# Altium PCB HIVE_BOARD.PcbDoc (part 9 of 9)
Units mil, origin at the board's own origin, x right, y up, seen from the top; angles counter-clockwise.
Board outline 4330.71 x 4330.71 mil, 8 copper layers (Top, GND_1, Signal_1, GND_2, PWR, Signal_2, GND_3, Bottom), stack 62.994 mil thick; 660 components, 468 nets, 2497 pads, 1806 vias.
Unrouted connection lines stored in the file: 30.
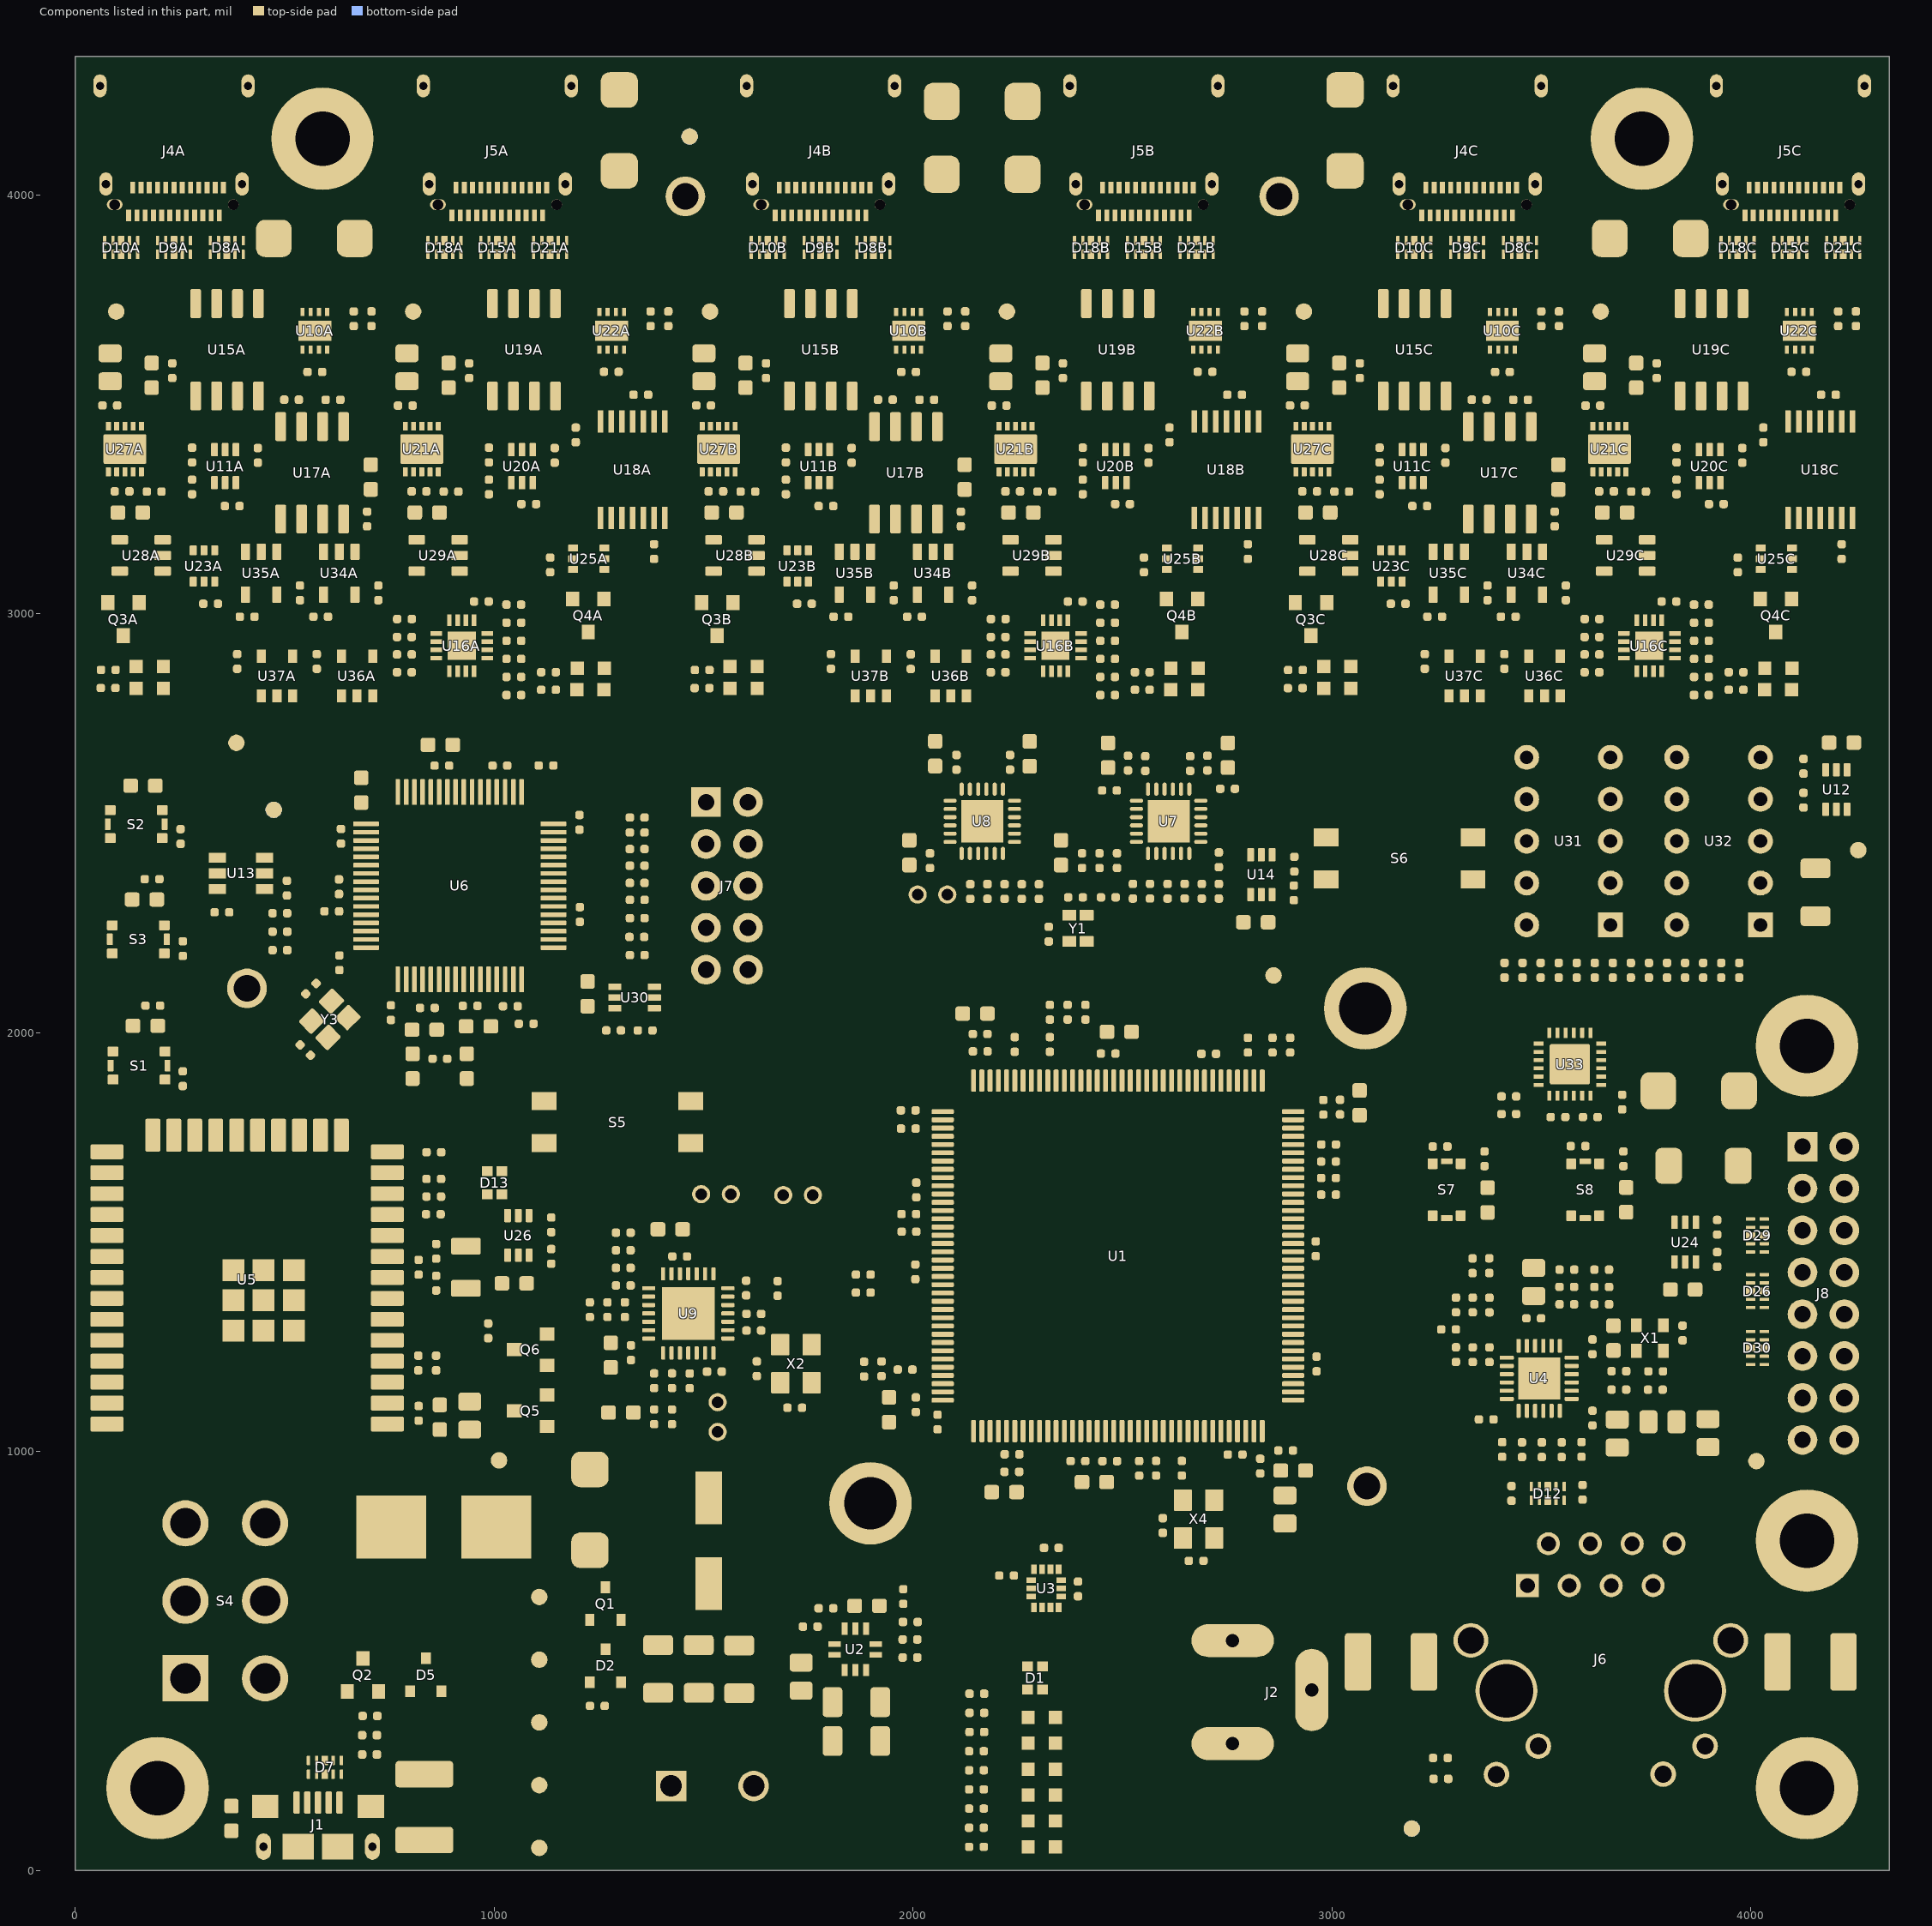
[diagram p15: the components of this part, seen from the top]

## Polygon pours and split planes (outlines as drawn) (continued)
3V3 on Top "NONET_L-01_P-001" (solid, pour order 697): 1473.12,1407.86 1473.12,1578.69 1420,1578.69 1420,1482.83 1444,1482.83 1444,1446 1453.57,1436.43 1453.57,1407.86
GND on Top "NONET_L-01_P-001" (solid, pour order 696): 1252.93,1229 1386.3,1229 1386.3,1175.01 1252.93,1175.01
3V3 on Top "NONET_L-01_P-001" (solid, pour order 695): 1228.99,1280.93 1391.73,1280.93 1391.73,1233.74 1228.99,1233.74
3V3 on Top "NONET_L-01_P-001" (solid, pour order 693): 1613.61,1193.25 1711.49,1193.25 1711.49,1086.58 1613.61,1086.58
GND on Top "NONET_L-01_P-001" (solid, pour order 692): 2085.12,1941.73 2154.34,1941.73 2154.34,2067.45 2085.12,2067.45
VDDLDO on Top "NONET_L-01_P-001" (solid, pour order 617): 2880.88,1782 3004,1782 3004,1823.68 3091.55,1823.68 3091.55,1752.06 2880.88,1752.06
3V3 on Top "NONET_L-01_P-001" (solid, pour order 611): 2880.87,1786 2999,1786 2999,1823 2961,1823 2961,1847.5 2938.71,1847.5 2938.71,1801.1 2880.71,1801.1
VDDLDO on Top "NONET_L-01_P-001" (solid, pour order 690): 2194,1858.76 2194,1983.88 2157.76,1983.88 2157.76,2069.43 2223.94,2069.43 2223.94,1858.76
3V3 on Top "NONET_L-01_P-001" (solid, pour order 689): 2190,1858.75 2190,1976.88 2157.51,1976.88 2157.51,1938.88 2128.5,1938.88 2128.5,1916.23 2174.81,1916.23 2174.81,1858.59
3V3 on Top "NONET_L-01_P-001" (solid, pour order 688): 2130.59,1622.31 1966.38,1622.31 1966.38,1592.09 2015.46,1592.09 2029.33,1605.96 2098.56,1605.96 2109.96,1594.55 2130.59,1594.55
GND on Top "NONET_L-01_P-001" (solid, pour order 687): 2130.59,1626.85 1967.35,1626.85 1967.35,1658.61 2020.9,1658.61 2036.31,1643.2 2098.56,1643.2 2109.96,1654.6 2130.59,1654.6
3V3 on Top "NONET_L-01_P-001" (solid, pour order 684): 2130.59,1425.46 1966.38,1425.46 1966.38,1395.24 2015.46,1395.24 2029.33,1409.11 2098.56,1409.11 2109.96,1397.7 2130.59,1397.7
GND on Top "NONET_L-01_P-001" (solid, pour order 683): 2130.59,1430 1967.35,1430 1967.35,1461.76 2020.9,1461.76 2036.31,1446.35 2098.56,1446.35 2109.96,1457.75 2130.59,1457.75
GND on Top "NONET_L-01_P-001" (solid, pour order 681): 1919.75,1106 2035.12,1106 2035.12,1066.01 2103.94,1066.01 2103.94,1028.54 1919.75,1028.54
VDDLDO on Top "NONET_L-01_P-001" (solid, pour order 680): 2097.55,1135 2036,1135 2036,1110 1895.56,1110 1895.56,1154.93 2036,1154.93 2036,1151.39 2097.55,1151.39
3V3 on Top "NONET_L-01_P-001" (solid, pour order 679): 2103.78,1130 2040,1130 2040,1070.52 2058.65,1070.52 2103.94,1070.52 2103.94,1115.63
3V3_CH on Top "NONET_L-01_P-001" (solid, pour order 678): 2991.71,3575.52 3124.72,3575.52 3146.43,3553.81 3146.43,3446.05 3061.86,3446.05 2991.71,3516.2
GND on Top "NONET_L-01_P-001" (solid, pour order 676): 2331.84,2717.01 2211.42,2717.01 2211.42,2646.92 2246.98,2646.92 2263.06,2663 2331.84,2663
GND on Top "NONET_L-01_P-001" (solid, pour order 675): 1999.22,2717.01 2119.64,2717.01 2119.64,2646.92 2084.08,2646.92 2068,2663 1999.22,2663
GND on Top "Top-GND" (solid, pour order 674): 1968.09,2361.98 1968.09,2421.96 2006.04,2421.96 2018.51,2409.49 2104.42,2409.49 2104.42,2361.98
3V3_CL on Top "Top-3V3_CL" (solid, pour order 673): 1943.82,2488.59 1943.82,2426.87 2008.64,2426.87 2021.73,2413.77 2105.06,2413.77 2105.06,2454.31 2105.06,2464.69 2068.89,2464.69 2058.5,2454.31 2040.42,2454.31 2006.14,2488.59
3V3_CL on Top "NONET_L-01_P-001" (solid, pour order 672): 2126.12,2563.35 2024.35,2563.35 2024.35,2599.01 2024.35,2658.16 2066.28,2658.16 2081.69,2642.74 2126.12,2642.74 2126.12,2601.9
GND on Top "Top-GND 1" (solid, pour order 669): 2330,2347.42 2330,2421.96 2372.04,2421.96 2384.51,2409.49 2549.3,2409.49 2549.3,2368.96 2497.69,2368.96 2476.16,2347.42
3V3_CL on Top "NONET_L-01_P-001" (solid, pour order 667): 2816.09,2350.9 2816.09,2187.66 2761.08,2187.66 2761.08,2350.9
GND on Top "NONET_L-01_P-001" (solid, pour order 668): 2819.44,2350.9 2819.44,2212.3 2882.72,2212.3 2882.72,2290.14 2863.64,2290.14 2843.55,2310.23 2843.55,2350.9
3V3 on Top "NONET_L-01_P-001" (solid, pour order 666): 2844.23,2403.49 2844.23,2505.15 2927.98,2505.15 2927.98,2403.49
GND on Top "NONET_L-01_P-001" (solid, pour order 665): 2395.7,2297.51 2463.92,2297.51 2463.92,2201.64 2396.53,2201.64 2396.53,2236.44 2427.91,2236.44 2427.91,2263.06 2395.7,2263.06
3V3_CL on Top "NONET_L-01_P-001" (solid, pour order 663): 2307.49,2235.26 2391.21,2235.26 2391.21,2176.89 2307.49,2176.89
3V3_CL on Top "Top-3V3_CL 1" (solid, pour order 662): 2331,2482.93 2331,2426.87 2374.36,2426.87 2387.46,2413.77 2549.93,2413.77 2549.93,2454.31 2549.93,2464.69 2513.77,2464.69 2503.38,2454.31 2485.3,2454.31 2456.68,2482.93
GND on Top "NONET_L-01_P-001" (solid, pour order 659): 2773.83,2714.09 2650.5,2714.09 2650.5,2644 2719.85,2644 2732.51,2656.66 2773.83,2656.66
3V3_CL on Top "NONET_L-01_P-001" (solid, pour order 658): 2649.78,2563.35 2751.55,2563.35 2751.55,2599.01 2801.85,2599.01 2801.85,2652 2738.62,2652 2725.53,2638.9 2649.78,2638.9 2649.78,2601.9
GND on Top "NONET_L-01_P-001" (solid, pour order 653): 2446.95,2714.09 2570.28,2714.09 2570.28,2644 2500.93,2644 2488.27,2656.66 2446.95,2656.66
3V3_CL on Top "NONET_L-01_P-001" (solid, pour order 652): 2571,2563.35 2469.23,2563.35 2469.23,2599.01 2418.93,2599.01 2418.93,2652 2482.16,2652 2495.25,2638.9 2571,2638.9 2571,2601.9
3V3 on Top "NONET_L-01_P-001" (solid, pour order 650): 2810.96,853.44 2920.87,853.44 2920.87,764.79 2810.96,764.79
GND on Top "NONET_L-01_P-001" (solid, pour order 649): 2258.24,587.56 2258.24,642.38 2337.45,642.38 2337.45,587.56
GND on Top "NONET_L-01_P-001" (solid, pour order 648): 2341.26,701.2 2361.01,701.2 2361.01,732.92 2411.23,732.92 2411.23,673.06 2385.58,673.06 2377.65,665.13 2341.26,665.13
3V3 on Top "Top-3V3" (solid, pour order 647): 1876,266.18 2057.05,85.13 2148.89,85.13 2148.89,288.66 2079.45,358.09 2079.45,514.8 2079.45,614.75 1993.29,614.75 1993.29,492.16 1961.97,492.16 1957.75,494.72 1876,494.72
GND on Top "NONET_L-01_P-001" (solid, pour order 644): 1350.58,455.46 1827,455.46 1827,494.72 1871.73,494.72 1871.73,266.24 1736.76,266.24 1643.21,359.79 1350.58,359.79
GND on Top "NONET_L-01_P-001" (solid, pour order 637): 2773.59,826.77 2690.65,826.77 2690.65,915.51 2773.59,915.51
GND on Top "NONET_L-01_P-001" (solid, pour order 636): 2767,1104.46 2767,988 2780,975 2780,943.15 2803.98,943.15 2803.98,1104.46
3V3 on Top "NONET_L-01_P-001" (solid, pour order 635): 2746.12,1077.21 2746.12,1013.8 2734.85,1002.53 2734.85,969.06 2760.47,943.44 2776.15,943.44 2776.15,970.85 2763,984 2763,1077.58
3V3 on Top "NONET_L-01_P-001" (solid, pour order 634): 2579.07,822.55 2672.61,822.55 2672.61,723.49 2579.07,723.49
3V3 on Top "NONET_L-01_P-001" (solid, pour order 633): 2490.46,1077.99 2490.46,1017.85 2475.12,1002.51 2475.12,966 2508,966 2508,1077.99
GND on Top "NONET_L-01_P-001" (solid, pour order 632): 2395,1077.91 2395,961.19 2429.58,961.19 2429.58,876.14 2488.85,876.15 2487.86,961.19 2471.3,961.19 2471.3,1005.3 2487,1021 2487,1077.91
GND on Top "NONET_L-01_P-001" (solid, pour order 631): 2234.43,1076.79 2234.43,1030 2164.99,960.56 2164.99,878.7 2211.03,878.7 2211.03,925.55 2231,945.52 2231,997 2254.16,1020.16 2254.16,1076.79
3V3 on Top "NONET_L-01_P-001" (solid, pour order 630): 2290.02,1076.79 2290.02,878.99 2218.5,878.99 2218.5,920.37 2236,937.87 2236,995.36 2254.16,1013.52 2254.16,1076.79
3V3 on Top "NONET_L-01_P-001" (solid, pour order 628): 2372.35,1077.99 2372.35,1007.18 2357.01,991.83 2357.01,899.37 2425.27,899.37 2425.27,956.03 2391,956.03 2391,1077.99
VDDA on Top "NONET_L-01_P-001" (solid, pour order 626): 2923.01,866.06 2923.01,914.31 2906.82,930.5 2906.82,969.1 2889.39,986.53 2889.39,1083.65 2825.58,1083.65 2825.58,999.6 2845.19,999.6 2845.19,966.78 2809.12,966.78 2809.12,866.06
3V3 on Top "NONET_L-01_P-001" (solid, pour order 625): 4191.72,2553.63 4191.72,2451.96 4107.97,2451.96 4107.97,2553.63
GND on Top "NONET_L-01_P-001" (solid, pour order 624): 4216.51,2606.21 4216.51,2744.82 4153.23,2744.82 4153.23,2666.98 4172.31,2666.98 4192.4,2646.89 4192.4,2606.21
3V3_CH on Top "NONET_L-01_P-001" (solid, pour order 623): 4219.86,2577.66 4219.86,2745.21 4274.87,2745.21 4274.87,2577.66
GND on Top "NONET_L-01_P-001" (solid, pour order 620): 3736.29,1906.53 3849.06,1906.53 3849.06,1787.97 3736.29,1787.97
GND on Top "NONET_L-01_P-001" (solid, pour order 568): 3117.83,4301.49 3117.83,4179.6 2994.56,4179.6 2994.56,4301.49
3V3 on Top "NONET_L-01_P-001" (solid, pour order 619): 4040.5,1685.82 4040.5,1636.97 3892.36,1636.97 3892.36,1782 4172.37,1782 4172.37,1685.82
GND on Top "NONET_L-01_P-001" (solid, pour order 616): 2879.59,1209.49 3034.36,1209.49 3034.36,1174.42 2938.99,1174.42 2938.99,1192.57 2879.77,1192.57
3V3 on Top "NONET_L-01_P-001" (solid, pour order 615): 2879.6,1214 3005.89,1214 3005.89,1270.81 2938.99,1270.82 2938.99,1229.81 2879.77,1229.81
GND on Top "NONET_L-01_P-001" (solid, pour order 613): 2879.59,1485.08 3005.89,1485.09 3005.89,1427.16 2938.99,1427.16 2938.99,1468.16 2879.77,1468.16
3V3 on Top "NONET_L-01_P-001" (solid, pour order 612): 2879.59,1488.48 3005.89,1488.48 3005.89,1546.41 2938.99,1546.41 2938.99,1505.4 2879.77,1505.4
GND on Top "NONET_L-01_P-001" (solid, pour order 610): 2966.07,1897.23 2966.07,1828.01 3091.79,1828.01 3091.79,1897.23
3V3 on Top "NONET_L-01_P-001" (solid, pour order 609): 3855.81,1526.36 3855.81,1628.03 3939.55,1628.03 3939.55,1526.36
GND on Top "NONET_L-01_P-001" (solid, pour order 608): 3831.01,1473.78 3831.01,1335.18 3894.29,1335.18 3894.29,1413.02 3875.21,1413.02 3855.12,1433.1 3855.12,1473.78
3V3_ETH on Top "NONET_L-01_P-001" (solid, pour order 607): 3827.66,1502.34 3827.66,1334.78 3772.65,1334.78 3772.65,1502.34
GND on Top "NONET_L-01_P-001" (solid, pour order 606): 3692,1320.34 3692,1283.17 3650.18,1283.17 3650.18,1256.48 3579.31,1256.48 3579.31,1320.34
3V3_ETH on Top "NONET_L-01_P-001" (solid, pour order 605): 3494.39,1231.3 3494.39,1298.43 3481.85,1310.97 3481.85,1336.49 3420.42,1336.49 3420.42,1417.34 3521.32,1417.34 3521.32,1281.18 3513.89,1273.75 3513.89,1231.3
GND on Top "NONET_L-01_P-001" (solid, pour order 604): 3969.03,1035.98 3969.03,996.3 3969.03,957.14 3863.29,957.14 3863.29,1035.98 3917.29,1035.98
3V3_ETH on Top "NONET_L-01_P-001" (solid, pour order 603): 4005.8,1116.27 3798.2,1116.27 3798.2,1040 4005.8,1040
GND on Top "NONET_L-01_P-001" (solid, pour order 602): 3704.67,1282.53 3741.85,1282.53 3741.85,1309.22 3768.54,1309.22 3768.54,1346.4 3704.67,1346.4
3V3_ETH on Top "NONET_L-01_P-001" (solid, pour order 600): 3773.29,1261.58 3773.29,1179.7 3841.82,1179.7 3841.82,1236.77 3817.02,1261.58
GND on Top "NONET_L-01_P-001" (solid, pour order 599): 3610.27,1074 3610.27,1004.32 3579.28,1004.32 3579.28,961.77 3719.15,961.77 3719.15,1044 3662,1044 3632,1074
3V3_PHY on Top "NONET_L-01_P-001" (solid, pour order 598): 3663,1048 3633,1078 3605.9,1078 3605.9,1052.67 3551.84,1052.67 3551.84,1132.67 3588.47,1132.67 3607.01,1114.13 3778.62,1114.13 3778.62,1048
NetC54_2 on Top "NONET_L-01_P-001" (solid, pour order 597): 3555.1,1218.85 3695.77,1218.85 3695.77,1259.2 3647.96,1259.2 3639.24,1250.47 3555.1,1250.47
3V3_PHY on Top "NONET_L-01_P-001" (solid, pour order 596): 3452,1117.99 3367.05,1117.94 3367.05,1058.59 3430.35,1058.59 3452,1080.24
3V3_CH on Top "NONET_L-01_P-001" (solid, pour order 595): 2283.05,3575.52 2416.06,3575.52 2437.77,3553.81 2437.77,3446.05 2353.2,3446.05 2283.05,3516.2
3V3_CH on Top "NONET_L-01_P-001" (solid, pour order 592): 3700.29,3575.6 3833.3,3575.6 3855.01,3553.89 3855.01,3446.13 3770.44,3446.13 3700.29,3516.28
3V3_CH on Top "NONET_L-01_P-001" (solid, pour order 590): 1574.3,3575.6 1707.32,3575.6 1729.02,3553.89 1729.02,3446.13 1644.46,3446.13 1574.3,3516.28
3V3_CH on Top "NONET_L-01_P-001" (solid, pour order 589): 156.98,3575.6 289.99,3575.6 311.7,3553.89 311.7,3446.13 227.13,3446.13 156.98,3516.28
3V3_CH on Top "NONET_L-01_P-001" (solid, pour order 584): 865.64,3575.6 998.65,3575.6 1020.36,3553.89 1020.36,3446.13 935.79,3446.13 865.64,3516.28
GND on Top "NONET_L-01_P-001" (solid, pour order 581): 4076.49,3645 4276.41,3645 4276.41,3704 4076.49,3704
GND on Top "NONET_L-01_P-001" (solid, pour order 579): 3367.83,3645 3567.75,3645 3567.75,3704 3367.83,3704
GND on Top "NONET_L-01_P-001" (solid, pour order 578): 3700.17,3577.08 3812.23,3577.08 3812.23,3601.14 3760.04,3653.34 3700.17,3653.34
3V3_CH on Top "NONET_L-01_P-001" (solid, pour order 576): 4037.36,3496.26 4101.31,3496.26 4101.31,3426.73 4012.03,3426.73 4012.03,3470.92
GND on Top "NONET_L-01_P-001" (solid, pour order 575): 2991.42,3577.16 3103.49,3577.16 3103.49,3601.23 3051.29,3653.42 2991.42,3653.42
3V3_CH on Top "NONET_L-01_P-001" (solid, pour order 573): 3459.57,3189.65 3493.54,3189.65 3493.54,3226.62 3563.33,3226.62 3563.33,3315.13 3499.31,3315.13 3459.57,3275.4
BB_VIN_1C on Top "NONET_L-01_P-001" (solid, pour order 572): 3591.86,3433 3651.31,3433 3651.31,3479.28 3626.31,3479.28 3626.31,3514.72 3683.92,3514.72 3683.92,3588.02 3591.86,3588.02
5V on Top "NONET_L-01_P-001" (solid, pour order 571): 3651.31,3353 3651.31,3288.9 3675.1,3265.1 3675.1,3200.23 3624.31,3200.23 3624.31,3161.41 3663.04,3122.67 3683.59,3122.67 3683.59,3079.97 3591.44,3079.97 3591.44,3353
5V on Top "NONET_L-01_P-001" (solid, pour order 570): 2942.65,3353 2942.65,3288.9 2966.44,3265.1 2966.44,3200.23 2915.65,3200.23 2915.65,3161.41 2954.38,3122.67 2968.65,3122.67 2968.65,3079.97 2882.78,3079.97 2882.78,3353
BB_VIN_0C on Top "NONET_L-01_P-001" (solid, pour order 569): 2883.2,3433 2942.65,3433 2942.65,3479.28 2917.65,3479.28 2917.65,3514.72 2980.28,3514.72 2980.28,3588.02 2883.2,3588.02
BB_VIN_0C on Top "NONET_L-01_P-001" (solid, pour order 567): 3105.55,4108.88 3105.55,3987 2982.27,3987 2982.27,4108.88
GND on Top "NONET_L-01_P-001" (solid, pour order 566): 3616.58,3826.62 3738.47,3826.62 3738.47,3949.89 3616.58,3949.89
BB_VIN_1C on Top "NONET_L-01_P-001" (solid, pour order 565): 3791.36,3826.62 3903.3,3826.62 3903.3,3949.89 3791.36,3949.89
GND on Top "NONET_L-01_P-001" (solid, pour order 564): 4212.6,3846 4212.6,3918.68 4194.28,3937 4194.28,3993.02 4202.97,4001.71 4202.97,4060.86 4275.59,4060.86 4275.59,3977.03 4235.28,3936.72 4235.27,3846
GND on Top "NONET_L-01_P-001" (solid, pour order 563): 3954.06,3844.29 3996.59,3844.29 3996.59,3967.73 4003.29,3974.43 4003.29,4059.61 3913.39,4059.61 3913.39,3995.81 3979.49,3995.81 3979.49,3980.74 3954.06,3955.32
GND on Top "NONET_L-01_P-001" (solid, pour order 562): 3182.4,3844.29 3224.93,3844.29 3224.93,3967.73 3231.63,3974.43 3231.63,4059.61 3141.73,4059.61 3141.73,3995.81 3207.83,3995.81 3207.83,3980.74 3182.41,3955.32
GND on Top "NONET_L-01_P-001" (solid, pour order 561): 3440.94,3846 3440.94,3918.68 3422.62,3937 3422.62,3993.02 3431.31,4001.71 3431.31,4060.86 3503.94,4060.86 3503.94,3977.03 3463.62,3936.72 3463.62,3846
BB_VIN_0C on Top "NONET_L-01_P-001" (solid, pour order 560): 3415.9,3999 3391.62,3999 3391.62,4037 3372.05,4037 3371.62,3995.81 3362.21,3995.81 3362.21,3933 3381.36,3933 3381.36,3970 3415.9,3970
BB_VIN_0C on Top "NONET_L-01_P-001" (solid, pour order 559): 3236.62,3999 3273.62,3999 3273.62,4037 3293.31,4037 3293.31,3970 3283.46,3970 3283.46,3933 3264.3,3933 3264.3,3970 3236.62,3970
BB_VIN_1C on Top "NONET_L-01_P-001" (solid, pour order 558): 4187.55,3999 4163.28,3999 4163.28,4037 4143.7,4037 4143.28,3995.81 4133.86,3995.81 4133.86,3933 4153.02,3933 4153.02,3970 4187.55,3970
BB_VIN_1C on Top "NONET_L-01_P-001" (solid, pour order 557): 4009.58,3999 4045.28,3999 4045.28,4037 4064.96,4037 4064.96,3970 4055.11,3970 4055.11,3933 4035.96,3933 4035.96,3970 4009.58,3970
GND on Top "NONET_L-01_P-001" (solid, pour order 554): 2187.65,4095.61 2187.65,3973.72 2310.92,3973.72 2310.92,4095.61
GND on Top "NONET_L-01_P-001" (solid, pour order 553): 2022.05,4148.54 2143.94,4148.54 2143.94,4271.82 2022.05,4271.82
BB_VIN_1B on Top "NONET_L-01_P-001" (solid, pour order 551): 2214.96,4148.54 2336.85,4148.54 2336.85,4271.82 2214.96,4271.82
BB_VIN_0B on Top "NONET_L-01_P-001" (solid, pour order 550): 1994.74,4095.61 1994.74,3973.72 2118.01,3973.72 2118.01,4095.61
GND on Top "NONET_L-01_P-001" (solid, pour order 548): 2659.17,3645 2859.09,3645 2859.09,3704 2659.17,3704
GND on Top "NONET_L-01_P-001" (solid, pour order 546): 1950.5,3645 2150.43,3645 2150.43,3704 1950.5,3704
GND on Top "NONET_L-01_P-001" (solid, pour order 545): 2282.84,3577.08 2394.91,3577.08 2394.91,3601.14 2342.72,3653.34 2282.84,3653.34
3V3_CH on Top "NONET_L-01_P-001" (solid, pour order 543): 2620.04,3496.26 2683.99,3496.26 2683.99,3426.73 2594.7,3426.73 2594.7,3470.92
GND on Top "NONET_L-01_P-001" (solid, pour order 542): 1574.1,3577.16 1686.16,3577.16 1686.16,3601.23 1633.97,3653.42 1574.1,3653.42
3V3_CH on Top "NONET_L-01_P-001" (solid, pour order 540): 2042.25,3189.65 2076.22,3189.65 2076.22,3226.62 2146,3226.62 2146,3315.13 2081.98,3315.13 2042.25,3275.4
BB_VIN_1B on Top "NONET_L-01_P-001" (solid, pour order 539): 2174.54,3433 2233.98,3433 2233.98,3479.28 2208.98,3479.28 2208.98,3514.72 2266.59,3514.72 2266.59,3588.02 2174.54,3588.02
5V on Top "NONET_L-01_P-001" (solid, pour order 538): 2233.98,3353 2233.98,3288.9 2257.78,3265.1 2257.78,3200.23 2206.98,3200.23 2206.98,3161.41 2245.72,3122.67 2266.26,3122.67 2266.26,3079.97 2174.12,3079.97 2174.12,3353
5V on Top "NONET_L-01_P-001" (solid, pour order 537): 1525.32,3353 1525.32,3288.9 1549.12,3265.1 1549.12,3200.23 1498.32,3200.23 1498.32,3161.41 1537.06,3122.67 1551.32,3122.67 1551.32,3079.97 1465.46,3079.97 1465.46,3353
BB_VIN_0B on Top "NONET_L-01_P-001" (solid, pour order 536): 1465.87,3433 1525.32,3433 1525.32,3479.28 1500.32,3479.28 1500.32,3514.72 1562.95,3514.72 1562.95,3588.02 1465.87,3588.02
GND on Top "NONET_L-01_P-001" (solid, pour order 535): 354.32,3846 354.32,3918.68 336,3937 336,3993.01 344.69,4001.71 344.69,4060.85 417.31,4060.85 417.31,3977.03 377,3936.71 377,3846
GND on Top "NONET_L-01_P-001" (solid, pour order 534): 1125.98,3846 1125.98,3918.68 1107.66,3937 1107.66,3993.01 1116.35,4001.71 1116.35,4060.85 1188.97,4060.85 1188.97,3977.03 1148.66,3936.71 1148.65,3846
GND on Top "NONET_L-01_P-001" (solid, pour order 533): 2669.29,3846.01 2669.29,3918.69 2650.97,3937.01 2650.97,3993.03 2659.66,4001.72 2659.66,4060.87 2732.28,4060.87 2732.28,3977.04 2691.97,3936.73 2691.96,3846.01
GND on Top "NONET_L-01_P-001" (solid, pour order 532): 2410.75,3844.3 2453.28,3844.3 2453.28,3967.74 2459.98,3974.44 2459.98,4059.62 2370.08,4059.62 2370.08,3995.82 2436.18,3995.82 2436.18,3980.75 2410.75,3955.33
GND on Top "NONET_L-01_P-001" (solid, pour order 531): 1639.09,3844.3 1681.62,3844.3 1681.62,3967.74 1688.32,3974.44 1688.32,4059.62 1598.42,4059.62 1598.42,3995.82 1660.96,3995.82 1660.96,3977.19 1639.1,3955.33
GND on Top "NONET_L-01_P-001" (solid, pour order 530): 867.44,3844.29 909.97,3844.29 909.97,3967.73 916.67,3974.43 916.67,4059.6 826.77,4059.6 826.77,3995.81 889.04,3995.81 889.04,3976.91 867.44,3955.31
GND on Top "NONET_L-01_P-001" (solid, pour order 503): 95.78,3844.29 138.31,3844.29 138.31,3967.73 145.01,3974.43 145.01,4059.6 55.11,4059.6 55.11,3995.81 117.66,3995.81 117.66,3977.18 95.79,3955.31
BB_VIN_0B on Top "NONET_L-01_P-001" (solid, pour order 527): 1872.59,3999.01 1848.31,3999.01 1848.31,4037.01 1828.74,4037.01 1828.31,3995.82 1818.9,3995.82 1818.9,3933.01 1838.05,3933.01 1838.05,3970.01 1872.59,3970.01
BB_VIN_0B on Top "NONET_L-01_P-001" (solid, pour order 526): 1693.31,3999.01 1730.31,3999.01 1730.31,4037.01 1750,4037.01 1750,3970.01 1740.15,3970.01 1740.15,3933.01 1720.99,3933.01 1720.99,3970.01 1693.31,3970.01
BB_VIN_1B on Top "NONET_L-01_P-001" (solid, pour order 523): 2644.24,3999.01 2619.97,3999.01 2619.97,4037.01 2600.39,4037.01 2599.97,3995.82 2590.55,3995.82 2590.55,3933.01 2609.71,3933.01 2609.71,3970.01 2644.24,3970.01
BB_VIN_1B on Top "NONET_L-01_P-001" (solid, pour order 522): 2466.27,3999.01 2501.97,3999.01 2501.97,4037.01 2521.65,4037.01 2521.65,3970.01 2511.8,3970.01 2511.8,3933.01 2492.65,3933.01 2492.65,3970.01 2466.27,3970.01
GND on Top "NONET_L-01_P-001" (solid, pour order 482): 1241.84,3645 1441.77,3645 1441.77,3704 1241.84,3704
GND on Top "NONET_L-01_P-001" (solid, pour order 480): 533.18,3645 733.1,3645 733.1,3704 533.18,3704
GND on Top "NONET_L-01_P-001" (solid, pour order 479): 1225.15,4296.79 1225.15,4174.91 1348.43,4174.91 1348.43,4296.79
BB_VIN_1A on Top "NONET_L-01_P-001" (solid, pour order 478): 1225.15,4103.88 1225.15,3981.99 1348.43,3981.99 1348.43,4103.88
BB_VIN_1A on Top "NONET_L-01_P-001" (solid, pour order 473): 1100.93,3999 1076.66,3999 1076.66,4037 1057.08,4037 1056.66,3995.81 1047.24,3995.81 1047.24,3933 1066.4,3933 1066.4,3970 1100.93,3970
BB_VIN_1A on Top "NONET_L-01_P-001" (solid, pour order 472): 922.96,3999 958.65,3999 958.65,4037 978.34,4037 978.34,3970 968.49,3970 968.49,3933 949.34,3933 949.34,3970 922.96,3970
BB_VIN_0A on Top "NONET_L-01_P-001" (solid, pour order 469): 329.28,3999 305,3999 305,4037 285.43,4037 285,3995.81 275.59,3995.81 275.59,3933 294.74,3933 294.74,3970 329.28,3970
BB_VIN_0A on Top "NONET_L-01_P-001" (solid, pour order 468): 150,3999 187,3999 187,4037 206.68,4037 206.68,3970 196.84,3970 196.84,3933 177.68,3933 177.68,3970 150,3970
GND on Top "NONET_L-01_P-001" (solid, pour order 467): 865.52,3577.08 977.59,3577.08 977.59,3601.14 925.39,3653.34 865.52,3653.34
3V3_CH on Top "NONET_L-01_P-001" (solid, pour order 465): 1202.72,3496.26 1266.66,3496.26 1266.66,3426.73 1177.38,3426.73 1177.38,3470.92
GND on Top "NONET_L-01_P-001" (solid, pour order 464): 156.78,3577.16 268.84,3577.16 268.84,3601.23 216.65,3653.42 156.78,3653.42
3V3_CH on Top "NONET_L-01_P-001" (solid, pour order 462): 624.93,3189.65 658.89,3189.65 658.89,3226.62 728.68,3226.62 728.68,3315.13 664.66,3315.13 624.93,3275.4
BB_VIN_1A on Top "NONET_L-01_P-001" (solid, pour order 461): 757.21,3433 816.66,3433 816.66,3479.28 791.66,3479.28 791.66,3514.72 849.27,3514.72 849.27,3588.02 757.21,3588.02
5V on Top "NONET_L-01_P-001" (solid, pour order 460): 816.66,3353 816.66,3288.9 840.46,3265.1 840.46,3200.23 789.66,3200.23 789.66,3161.41 828.4,3122.67 848.94,3122.67 848.94,3079.97 756.79,3079.97 756.79,3353
5V on Top "NONET_L-01_P-001" (solid, pour order 459): 108,3353 108,3288.9 131.8,3265.1 131.8,3200.23 81,3200.23 81,3161.41 119.74,3122.67 134,3122.67 134,3079.97 48.13,3079.97 48.13,3353
BB_VIN_0A on Top "NONET_L-01_P-001" (solid, pour order 458): 51.75,3433 108,3433 108,3479.28 83,3479.28 83,3514.72 145.63,3514.72 145.63,3588.02 51.75,3588.02
no net on Top "Top-M2_SOURCE_-HV_B 1" (solid, pour order 294): -8864.91,-25169.47
no net on Top "Top-No Net" (solid, pour order 293): -8497.19,-24205.48
no net on Top "Top-No Net 1" (solid, pour order 292): -8524.72,-24183.04
no net on Top "Top-No Net 2" (solid, pour order 291): -8517.22,-24168.26
no net on Top "Top-No Net 3" (solid, pour order 290): -8520.94,-24183.99
no net on Top "Top-No Net 4" (solid, pour order 289): -9240.35,-24090.3
no net on Top "Top-No Net 5" (solid, pour order 288): -9236.63,-24074.56
no net on Top "Top-No Net 6" (solid, pour order 287): -9244.13,-24089.35
no net on Top "Top-No Net 7" (solid, pour order 286): -9216.6,-24111.79
no net on Top "Top-No Net 8" (solid, pour order 285): -8392.05,-24205.48
no net on Top "Top-No Net 9" (solid, pour order 284): -8419.58,-24183.04
no net on Top "Top-No Net 10" (solid, pour order 283): -8412.08,-24168.26
no net on Top "Top-No Net 11" (solid, pour order 282): -8415.8,-24183.99
no net on Top "Top-No Net 12" (solid, pour order 281): -10574.65,-26036.69
NetF1_1 on Bottom "NONET_L-01_P-001" (solid, pour order 751): 172.74,768.77 519.02,768.76 656.54,906.29 875.61,906.29 875.61,520.85 172.74,520.85
5V_USB on Bottom "NONET_L-01_P-001" (solid, pour order 753): 406.52,103.24 582.17,103.24 582.17,240.99 386.53,421.79 386.53,478.52 147.82,478.52 147.82,341.78 248.32,341.78 406.53,183.57
5V on Bottom "Bottom-5V" (solid, remove dead copper, pour order 749): 23.3,964.31 20.22,4031.23 394.9,4031.23 394.9,3579.27 300.89,3579.27 300.9,964.31
5V on Bottom "Bottom-5V 1" (solid, pour order 748): 4315.19,1785.8 4317.22,3809 3760.68,3809.01 3760.68,3539.13 4131.81,3539.13 4131.81,3238.52 3860.28,2966.99 3860.28,1785.8
VCAP on Bottom "NONET_L-01_P-001" (solid, pour order 734): 1962.29,1036.8 1962.29,1302.57 2166.49,1302.57 2166.49,2023.54 2252.28,2023.54 2307.67,1968.15 2307.67,1764.56 2984.71,1764.56 2984.71,1674.09 2799.4,1674.09 2799.4,1038.57
NetD3_1 on Bottom "NONET_L-01_P-001" (solid, pour order 642): 887.13,901.11 1111.22,901.11 1151.62,860.72 1254.78,860.72 1254.78,638.05 929.57,638.06 887.13,680.5
no net on Bottom "Bottom-No Net" (solid, pour order 457): -7415.96,-24096.84
5V_CONN on Signal_2 "NONET_L-01_P-001" (solid, pour order 763): 2309.32,638.09 2029.49,358.26 1139.52,358.26 564.1,933.68 100.44,933.68 100.44,346.38 419.06,27.76 3015.58,27.76 3160.62,172.8 3160.62,638.08 2735.68,638.08
5V on Signal_2 "NONET_L-01_P-001" (solid, pour order 761): 1819.24,468.94 1093.28,468.94 597.87,964.35 27.14,964.35 27.14,1521.69 851.86,1521.69 1664.7,708.86 1817.09,708.86
VDDLDO on Signal_2 "NONET_L-01_P-001" (solid, pour order 744): 1818.86,1036.5 1818.86,1347.2 2166.49,1347.2 2166.49,2023.54 2252.28,2023.54 2307.67,1968.15 2307.67,1808.72 3091.55,1808.72 3091.55,1674.09 2799.4,1674.09 2799.4,1038.57
VREGOUT_1V8 on Signal_2 "NONET_L-01_P-001" (solid, pour order 733): 1082.14,2063 631.1,2063 631.1,2683.13 1082.14,2683.13
BB_VIN_1C on Signal_2 "NONET_L-01_P-001" (solid, pour order 594): 4195.09,3819.16 4195.09,4307.88 3582.68,4307.88 3582.68,3434.31 3874.29,3434.31 3756.42,3434.31 3756.42,3819.16
BB_VIN_0C on Signal_2 "NONET_L-01_P-001" (solid, pour order 593): 3201.96,4069.11 3201.96,3913.73 3435.41,3913.73 3435.41,4253.88 2874.02,4253.88 2874.02,3434.31 3165.63,3434.31 3129.64,3434.31 3129.64,4069.11
BB_VIN_1B on Signal_2 "NONET_L-01_P-001" (solid, pour order 556): 2441.54,4069.11 2441.54,3913.73 2726.75,3913.73 2726.75,4276.83 2165.36,4276.83 2165.36,3434.31 2456.97,3434.31 2339.09,3434.31 2339.09,4069.11
BB_VIN_0A on Signal_2 "NONET_L-01_P-001" (solid, pour order 486): 150,4086.61 150,3846.8 423.23,3846.8 423.23,3808.23 54.91,3808.23 54.91,3434.29 205,3434.29 538.18,3434.29 538.18,4086.61
BB_VIN_0B on Signal_2 "NONET_L-01_P-001" (solid, pour order 555): 1693.31,4165.61 1693.31,3941.01 1966.54,3941.01 1966.54,3804.2 1456.7,3804.2 1456.7,3434.31 1748.31,3434.31 2117.31,3434.31 2117.31,4165.61
BB_VIN_1A on Signal_2 "NONET_L-01_P-001" (solid, pour order 487): 921.66,4143.85 921.66,3926.76 1194.88,3926.76 1194.88,3809 747,3809 747,3434.29 915,3434.29 1348.43,3434.29 1348.43,4143.85
5V_CONN on Signal_1 "NONET_L-01_P-001" (solid, pour order 762): 2308.71,638.09 2028.88,358.26 1139.52,358.26 564.1,933.68 100.44,933.68 100.44,346.38 419.06,27.76 3015.58,27.76 3160.62,172.8 3160.62,638.08 2735.68,638.08
no net on Signal_1 "NONET_L-01_P-001" (solid, pour order 627): 2292.25,1077.28
GND on GND_1 (split plane): 4310.61,20.1 20.1,20.1 20.1,4310.61 4310.61,4310.61
ETH_GND on GND_1 (split plane): 4097.5,403.09 3183.45,403.09 3183.45,581.55 4097.5,581.55
GND on GND_2 (split plane): 4310.61,20.1 20.1,20.1 20.1,4310.61 4310.61,4310.61
ETH_GND on GND_2 (split plane): 4097.5,403.09 3183.45,403.09 3183.45,581.55 4097.5,581.55
5V_CONN on PWR (split plane): 35 vertices, not listed, extent 20.1,20.1 3136.55,930.25
3V3 on PWR (split plane): 167 vertices, not listed, extent 243.14,425.78 4310.61,3151.49
3V3_DEB on PWR (split plane): 1352.17,2114.19 1055.06,1817.08 243.14,1817.08 243.14,2655.07 1352.17,2655.07
3V3_CH on PWR (split plane): 209 vertices, not listed, extent 243.14,2576.15 4310.61,3782.29
5V on PWR (split plane): 161 vertices, not listed, extent 20.1,473.14 4310.61,4310.61
3V3_PHY on PWR (split plane): 3767.41,660.45 3229.77,660.45 3229.77,1164.91 3767.41,1164.91
ETH_GND on PWR (split plane): 4097.5,403.09 3183.45,403.09 3183.45,581.55 4097.5,581.55
3V3_ETH on PWR (split plane): 52 vertices, not listed, extent 3156.41,20.1 4310.61,1502.33
3V3_WR on PWR (split plane): 1047.18,1129 806.5,1129 790.4,1145.11 790.4,1797.23 1047.18,1797.23
GND on PWR (split plane): 4124.02,1728.74 4124.35,1727.95 4124.02,1727.16 4123.23,1726.84 4122.44,1727.16 4122.11,1727.95 4122.44,1728.74 4123.23,1729.07
3V3_CL on PWR (split plane): 2820.56,2080.93 1491.16,2080.93 1454.98,2117.1 1452.93,2118.68 1450.53,2119.67 1447.96,2120.01 1372.45,2120.01 1372.45,2131.46 1372.12,2134.03 1372.03,2134.24 1372.03,2655.07 2820.56,2655.07
GND on GND_3 (split plane): 4310.61,20.1 20.1,20.1 20.1,4310.61 4310.61,4310.61
ETH_GND on GND_3 (split plane): 4097.5,403.09 3183.45,403.09 3183.45,581.55 4097.5,581.55

## Keep-outs
Keep-Out Layer:
  lines w10: 2.34,0.42 2.34,2120.42

## Other copper
Top:
  text "1" at 3349.52,36.88 h39.37
Signal_1:
  text "3" at 3426.09,36.88 h39.37
Signal_2:
  text "6" at 3562.99,36.88 h39.37
Bottom:
  text "8" at 3654.25,36.88 h39.37
GND_1 (plane layer: these items are gaps in the copper):
  lines w78.74: 3144,366.12 3144,621 ; 3146.48,363.64 3890.73,363.64 ; 3146.48,621 3790.73,621 4136.95,621 4136.95,363.64 3879.59,363.64
  text "2" at 3380.46,36.88 h39.37
GND_2 (plane layer: these items are gaps in the copper):
  lines w78.74: 3144,366.12 3144,621 ; 3146.48,363.64 3890.73,363.64 ; 3146.48,621 3790.73,621 4136.95,621 4136.95,363.64 3879.59,363.64
  text "4" at 3470.89,36.88 h39.37
PWR (plane layer: these items are gaps in the copper):
  circle w50: c4123.23,1727.95 r26.13
  lines w19.68: 4.52,940.18 422.45,940.18 899.41,463.21 1850.74,463.21 1898.09,415.86 2395.99,415.86 2601.14,621 3144,621 ; 233.58,2664.99 1362.1,2664.99 ; 233.79,3113.83 399.43,3113.83 399.43,2859 724,2859 724,3113.83 1088.11,3113.83 1135.7,3161.41 1198.72,3161.41 1288.65,3071.48 1762.82,3071.48 1762.82,2858.96 2139.8,2858.96 2139.8,3113.83 2505.44,3113.83 2553.02,3161.41 2616.05,3161.41 2705.98,3071.48 ; 780.47,1800.94 780.47,1140.99 802.39,1119.07 1057.11,1119.07 ; 1057.11,1801.92 1057.11,1119.07 ; 1362.53,2131.46 1362.53,2110.08 1447.96,2110.08 1487.04,2071 2830.49,2071 2830.49,2664.99 1362.1,2664.99 ; 1851.51,463.21 1851.51,655.25 1387.69,1119.07 1057.11,1119.07 ; 2663.63,3113.83 2705.98,3071.48 ; 3146.48,0 3146.48,363.64 ; 3219.84,602.13 3219.84,1408.91 3323.19,1512.26 3616.26,1512.26 3846.24,1512.26 3891.21,1467.29 3891.21,1386.2 3998.98,1278.43 4080.07,1278.43 4333.07,1278.43 ; 3219.84,1174.83 3777.34,1174.83 3777.34,617.24 ; 4330.71,2588.73 4308.2,2566.22 4080.96,2566.22 4080.96,2965.6 4080.96,3113.83 4033.37,3161.41 3970.35,3161.41 3922.76,3113.83 3557.12,3113.83 3557.12,2858.96 ; 4330.71,3813.71 4309,3792 4174.83,3792 3943.38,3560.55 3767.55,3560.55 3727.21,3520.21 3727.21,3260.97 3572.75,3260.97 3572.75,3649.46 3640.94,3717.65 3640.94,3792 3276,3792 3018.55,3534.55 3018.55,3260.97 2864.09,3260.97 2864.09,3649.46 2932.28,3717.65 2932.28,3792 2579,3792 2309.89,3522.89 2309.89,3260.97 2155.43,3260.97 2155.43,3649.46 2223.62,3717.65 2223.62,3792 1858,3792 1601.23,3535.23 1601.23,3260.97 1446.77,3260.97 1446.77,3649.46 1514.96,3717.65 1514.96,3792 1149,3792 892.57,3535.57 892.57,3260.97 738.1,3260.97 738.1,3649.45 806.3,3717.65 806.3,3792 485.63,3792 233.21,3539.58 233.21,1807.15 1059.17,1807.15 1362.1,2110.08 1362.1,2664.99 ; 2705.98,3071.48 3180.14,3071.48 3180.14,2858.96 ; 3180.14,2858.96 3557.12,2858.96 ; 3180.14,2858.96 3557.12,2858.96
  lines w78.74: 3144,621 3144,366.12 3146.48,363.64 3890.73,363.64 ; 3146.48,621 3790.73,621 4136.95,621 4136.95,363.64 3879.59,363.64
  text "5" at 3517.36,36.88 h39.37
GND_3 (plane layer: these items are gaps in the copper):
  lines w78.74: 3144,366.12 3144,621 ; 3146.48,363.64 3890.73,363.64 ; 3146.48,621 3790.73,621 4136.95,621 4136.95,363.64 3879.59,363.64
  text "7" at 3609.28,36.88 h39.37

## Silkscreen, mask and mechanical layers (free items; w line width, h text height)
Top Overlay:
  text "1A" at 707.11,4251.96 h55.12
  text "0B" at 1469.58,4251.98 h55.12
  text "1C" at 3793.73,4251.97 h55.12
  text "0A" at 441.06,4250.01 h55.12
  text "1B" at 2761.6,4250 h55.12
  text "0C" at 3527.68,4250.01 h55.12
  text "GND TP" at 1197.15,3964.11 h31.5
  text "GND TP" at 2943.39,3962.29 h31.5
  text "a" at 679.62,3953.42 h196.85
  text "a" at 3512.6,3952.87 h196.85
  text "NOT" at 1378.46,3826.11 h66.93
  text "ACTUAL" at 1965.48,3826.11 h66.93
  text "USB-C" at 2709,3826.11 h66.93
  text "a" at 1207.2,3782.18 h196.85
  text "VBB TP" at 132.2,3659.5 h31.5
  text "VBB TP" at 1548.44,3659.05 h31.5
  text "VBB TP" at 2964.9,3659.1 h31.5
  text "VBB TP" at 841.58,3657.22 h31.5
  text "VBB TP" at 3674.99,3655.9 h31.5
  text "VBB TP" at 2255.14,3655.42 h31.5
  text "0B / EN / FLT" at 1659,2782 h47.24
  text "0C / EN / FLT" at 3077,2782 h47.24
  text "0A / EN / FLT" at 241,2781 h47.24
  text "1A / EN / FLT" at 1298.84,2778.48 h47.24
  text "1B / EN / FLT" at 2716.16,2778.48 h47.24
  text "1C / EN / FLT" at 4133.48,2778.48 h47.24
  text "3V3_DEB" at 441.76,2668.63 h47.24
  text "USB PWR ENA" at 2837.66,2655.75 h47.24
  text "RESET  / BTNs" at 33.87,2621.28 h47.24
  text "JTAG TP + JUMPERS" at 1325.35,2619.51 h47.24
  text "FTDI SIDE" at 1384,2580.87 h47.24 r270
  text "FTDI" at 21.62,2570.17 h31.5 r270
  text "CHANNEL" at 2985.68,2566.97 h47.24
  text "NJTRTS" at 1670,2519 h47.24
  text "JTMS" at 1664.59,2422.99 h47.24
  text "3V3_CH" at 4233.1,2390.73 h47.24 r270
  text "JTDO" at 1664.59,2320.64 h47.24
  text "MCU" at 23.67,2297.5 h31.5 r270
  text "EN" at 2944.98,2292.79 h31.5
  text "JTDI" at 1664.59,2218.3 h47.24
  text "ETHERNET" at 2947.12,2213.15 h47.24
  text "SYNC GND" at 1850.85,2188 h31.5
  text "JTCK" at 1664.59,2115.95 h47.24
  text "3V3_CL" at 2545.21,2114.12 h47.24
  text "WROOM" at 23.03,2037.09 h31.5 r270
  text "GND TP" at 350.32,1938.44 h31.5
  text "DEBBUG" at 1127.1,1911.01 h47.24
  text "EN" at 1077.5,1867.33 h31.5
  text "IO EXP BTNs" at 3115.65,1794.74 h47.24
  text "USB / PWR ENA" at 1528.24,1781.57 h47.24
  text "BTN_0" at 3126.87,1760.58 h47.24 r270
  text "BTN_1" at 3449.36,1714.33 h47.24 r270
  text "WROOM RGB" at 831.84,1689.9 h47.24
  text "USB TP" at 1391.94,1656.27 h47.24
  text "WROOM" at 1169,1587.76 h47.24
  text "DEB STM" at 1411.3,1510.37 h47.24
  text "CON-OFF-USB" at 31.15,965.58 h60 r270
  text "3V3_WR" at 701.87,947.75 h47.24
  text "USB IN / TP" at 1583.22,941.89 h47.24
  text "3V3_ETH" at 3702.82,882.48 h47.24
  text "GND TP" at 3172.18,870.74 h31.5
  text "5A Fuse" at 617.07,634.91 h47.24
  text "5V" at 979.83,617.71 h47.24
  text "MISC LED" at 2105.47,519.35 h47.24
  text "3V3" at 937.36,497.37 h47.24
  text "RGB" at 2364.42,415.8 h47.24
  text "HB" at 2380.41,343.6 h47.24
  text "USB DET#" at 744.01,308.78 h47.24
  text "MCU0" at 2380.41,279.2 h47.24
  text "-" at 1286.01,262.54 h60 r180
  text "+" at 1784.45,248.21 h60 r180
  text "MCU1" at 2380.41,214.8 h47.24
  text "5V CON" at 927.14,157.65 h47.24
  text "MCU2" at 2380.41,150.4 h47.24
  text "5V" at 1209.1,123.02 h47.24
  text "5V" at 2989.84,116.78 h47.24
  text "3V3" at 2380.41,86 h47.24
  text "IN" at 1216.31,32.74 h47.24
  text "IN" at 2997.05,26.5 h47.24
  text "5V" at 2380.41,21.6 h47.24
  text "5V USB" at 931.11,2.59 h47.24
Bottom Overlay:
  region: 2408.82,2762.47 1900.23,2762.47 1900.23,2459.21 2408.82,2459.21
  text "2" at 1880.11,3384.77 h393.7
  text ".Project_Name" at 2513.7,3163.82 h78.74
  text "Revision .Project_Revision" at 2526.69,3072.87 h40
  text "Designed by: / .Project_Designer1 / .Project_Designer2 / .Project_Designer3" at 2473.41,2809.78 h36
  text "Serial #" at 2406.68,2354.61 h39.37
Board Outline:
  the board outline again, w10
Route Tool Path:
  lines w100: -50,0 ccw(c0,0) 0,-50 4330.71,-50 ; -50,787.4 -50,3543.31 ; 4380.71,787.4 4380.71,3543.31 ; 4380.71,4330.71 ccw(c4330.71,4330.71) 4330.71,4380.71 0,4380.71 ; 0,4380.71 ccw(c0,4330.71) -50,4330.71 cw(c0,4330.71) 0,4380.71 ; 4330.71,-50 ccw(c4330.71,0) 4380.71,0 cw(c4330.71,0) 4330.71,-50
Channel locations:
  lines w3.94: 748.03,2778.48 1456.69,2778.48 ; 748.03,2778.48 39.37,2778.48 39.37,3813.71 748.03,3813.71 ; 748.03,2778.48 748.03,3813.71 ; 748.03,3813.71 1456.69,3813.71 ; 1456.69,2778.48 2165.35,2778.48 ; 1456.69,2778.48 1456.69,3813.71 ; 1456.69,3813.71 2165.35,3813.71 ; 2165.35,2778.48 2874.02,2778.48 ; 2165.35,2778.48 2165.35,3813.71 ; 2165.35,3813.71 2874.02,3813.71 ; 2874.02,2778.48 2874.02,3813.71 ; 2874.02,2778.48 3582.68,2778.48 ; 2874.02,3813.71 3582.68,3813.71 ; 3582.68,2778.48 3582.68,3813.71 ; 3582.68,2778.48 4291.34,2778.48 4291.34,3813.71 3582.68,3813.71

## Text inside footprints (layer, text, board x,y; h text height)
C147: Top Overlay "+" at 1621.99,677.57 h60 r270
J1: Top Assembly "Board Edge" at 465.75,-37.49 h23.62
J4A: Top Assembly "A12" at 121.21,3971.37 h20 r180; Top Assembly "B1" at 116.22,4066.31 h20 r180; Top Assembly "B12" at 400.38,4061.71 h20 r180; Top Assembly "A1" at 396.21,3971.37 h20 r180
J4B: Top Assembly "A12" at 1664.52,3971.38 h20 r180; Top Assembly "B1" at 1659.53,4066.33 h20 r180; Top Assembly "B12" at 1943.69,4061.72 h20 r180; Top Assembly "A1" at 1939.52,3971.38 h20 r180
J4C: Top Assembly "A12" at 3207.83,3971.37 h20 r180; Top Assembly "B1" at 3202.84,4066.32 h20 r180; Top Assembly "B12" at 3487,4061.71 h20 r180; Top Assembly "A1" at 3482.83,3971.37 h20 r180
J5A: Top Assembly "A12" at 892.87,3971.37 h20 r180; Top Assembly "B1" at 887.88,4066.31 h20 r180; Top Assembly "B12" at 1172.04,4061.71 h20 r180; Top Assembly "A1" at 1167.87,3971.37 h20 r180
J5B: Top Assembly "A12" at 2436.18,3971.38 h20 r180; Top Assembly "B1" at 2431.19,4066.33 h20 r180; Top Assembly "B12" at 2715.35,4061.72 h20 r180; Top Assembly "A1" at 2711.18,3971.38 h20 r180
J5C: Top Assembly "A12" at 3979.49,3971.37 h20 r180; Top Assembly "B1" at 3974.5,4066.32 h20 r180; Top Assembly "B12" at 4258.66,4061.71 h20 r180; Top Assembly "A1" at 4254.49,3971.37 h20 r180
S5: Top Overlay "ON" at 1217.91,1674.14 h30 r90
S6: Top Overlay "ON" at 3084.73,2303.75 h30 r90